# KiCad board minibaen r2.kicad_pcb
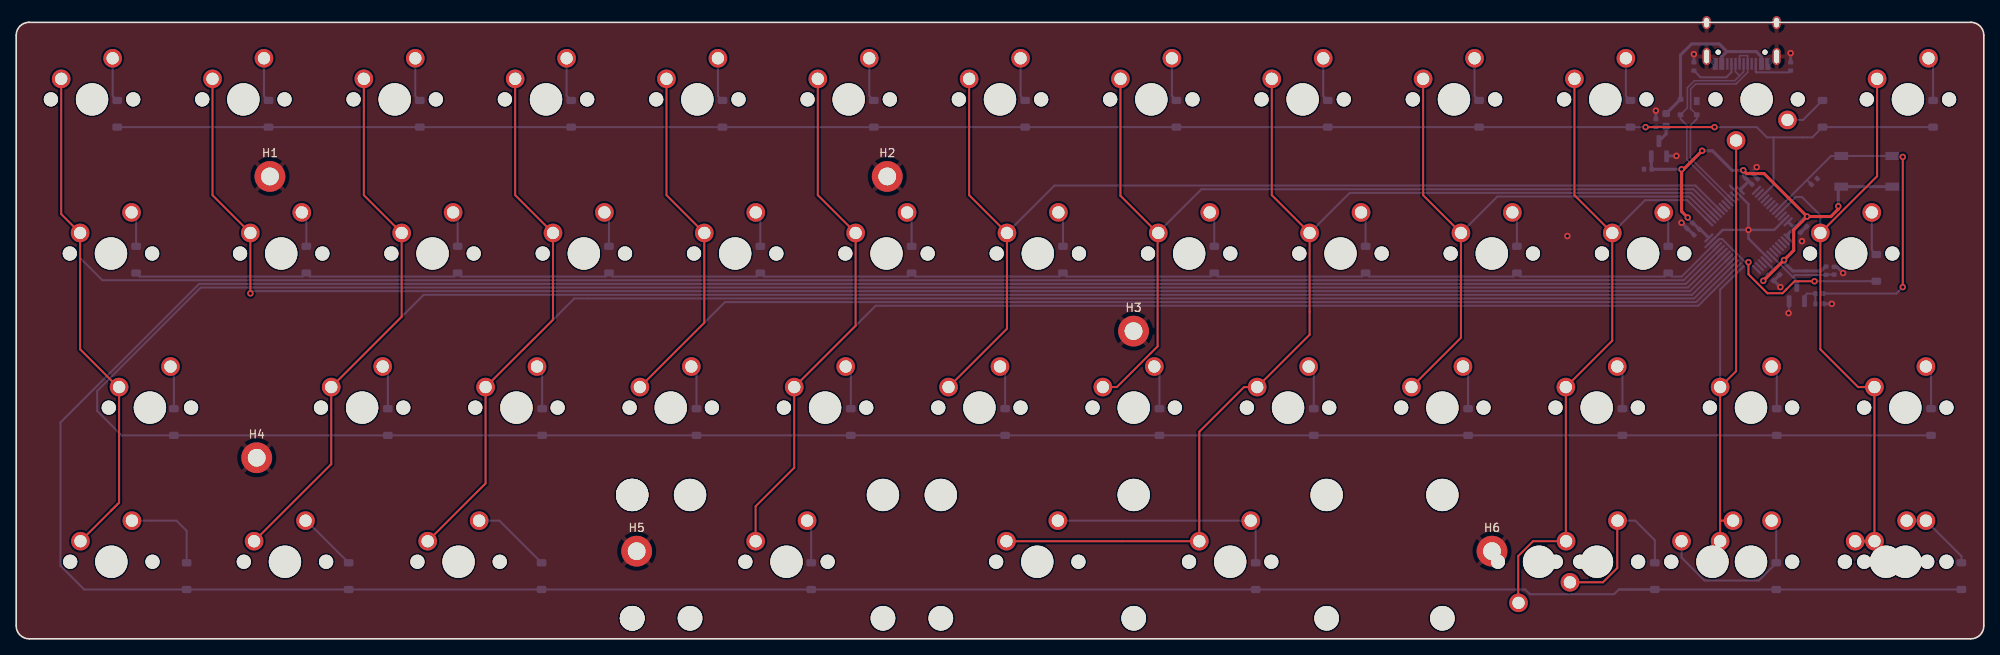
[diagram p0: board, top side]
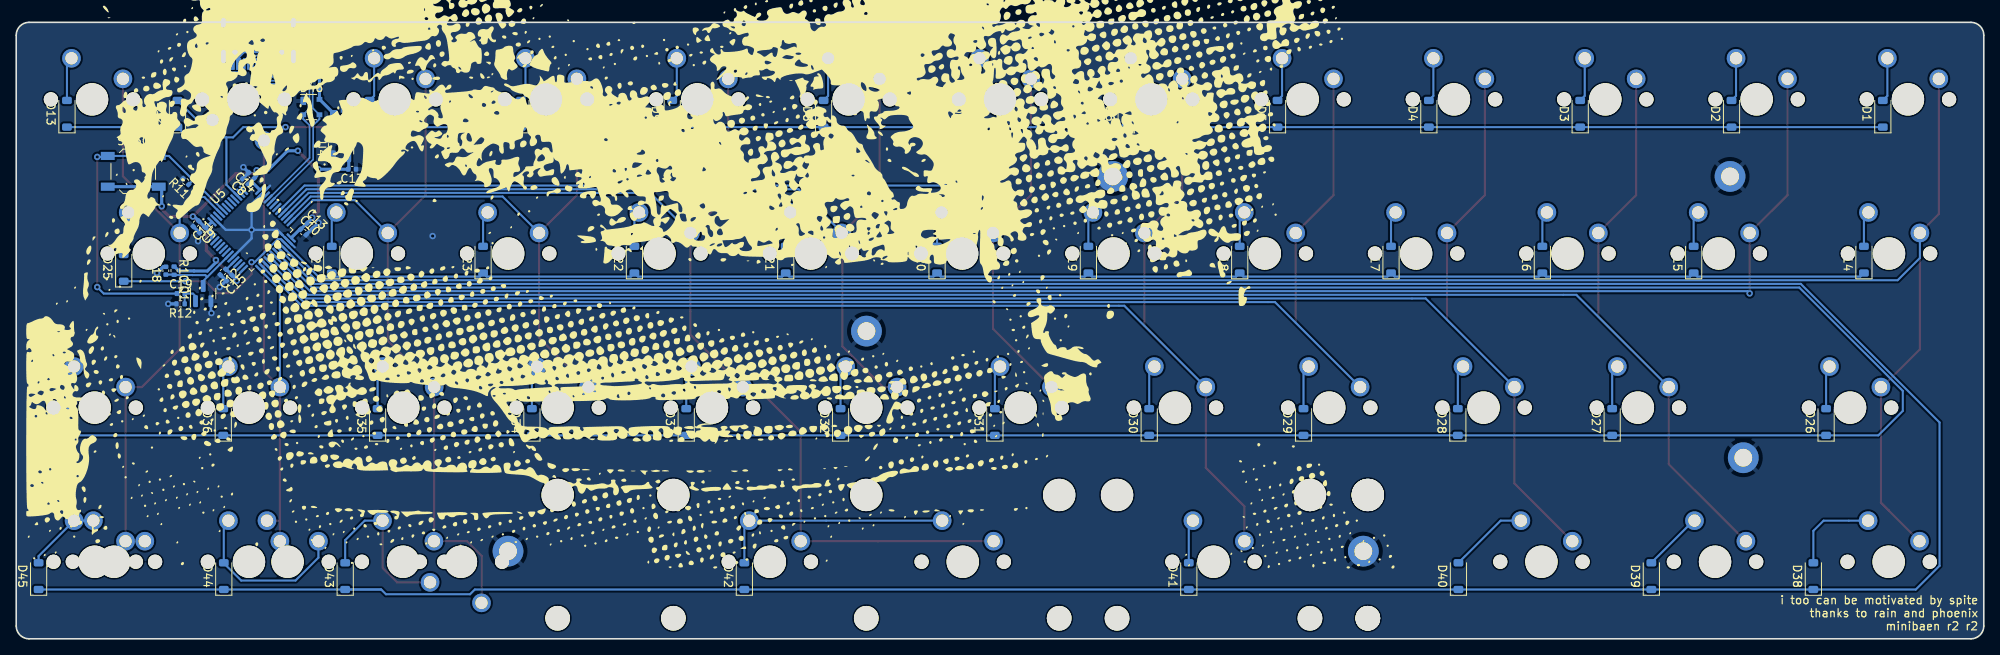
[diagram p1: board, bottom side, seen from below]

Outline 242.89 x 76.2 mm; copper layers: Top, Bottom. Coordinates in mm from the lower left corner of the outline.
Outline path: 0,74.61 arc(0.46,75.74) 1.59,76.2 241.3,76.2 arc(242.42,75.74) 242.89,74.61 242.89,1.59 arc(242.42,0.47) 241.3,0 1.59,0 arc(0.46,0.46) 0,1.59 0,74.61
Stack: Top 0.035mm / dielectric 1.51mm FR4 er 4.5 / Bottom 0.035mm

## Placement (name value [footprint] x y rotation side)
C8  100nF  [C_0402_1005Metric]  214.61 56.52 45 bottom
C9  100nF  [C_0402_1005Metric]  219.93 50.55 315 bottom
C10  100nF  [C_0402_1005Metric]  207.44 50.27 225 bottom
C11  100nF  [C_0402_1005Metric]  220.69 51.31 315 bottom
C12  10nF  [C_0402_1005Metric]  217.36 45.34 315 bottom
C13  4.7uF  [C_0402_1005Metric]  206.59 51.05 225 bottom
C14  4.7uF  [C_0402_1005Metric]  213.83 57.28 45 bottom
C15  1uF  [C_0402_1005Metric]  216.59 44.62 315 bottom
C16  1uF  [C_0402_1005Metric]  202.4 63.75 270 bottom
C17  1uF  [C_0402_1005Metric]  201.42 58.04 0 bottom
C18  1uF  [C_0402_1005Metric]  224.41 45.5 90 bottom
C19  4.7uF  [C_0402_1005Metric]  222.57 42.67 180 bottom
D1  D_Small  [D_SOD-123]  12.46 64.9 90 bottom
D2  D_Small  [D_SOD-123]  31.14 64.9 90 bottom
D3  D_Small  [D_SOD-123]  49.82 64.9 90 bottom
D4  D_Small  [D_SOD-123]  68.5 64.9 90 bottom
D5  D_Small  [D_SOD-123]  87.18 64.9 90 bottom
D6  D_Small  [D_SOD-123]  105.86 64.9 90 bottom
D7  D_Small  [D_SOD-123]  124.54 64.9 90 bottom
D8  D_Small  [D_SOD-123]  143.22 64.9 90 bottom
D9  D_Small  [D_SOD-123]  161.9 64.9 90 bottom
D10  D_Small  [D_SOD-123]  180.58 64.9 90 bottom
D11  D_Small  [D_SOD-123]  199.26 64.9 90 bottom
D12  D_Small  [D_SOD-123]  222.98 64.9 90 bottom
D13  D_Small  [D_SOD-123]  236.62 64.9 90 bottom
D14  D_Small  [D_SOD-123]  14.8 46.86 90 bottom
D15  D_Small  [D_SOD-123]  35.81 46.86 90 bottom
D16  D_Small  [D_SOD-123]  54.49 46.86 90 bottom
D17  D_Small  [D_SOD-123]  73.17 46.86 90 bottom
D18  D_Small  [D_SOD-123]  91.85 46.86 90 bottom
D19  D_Small  [D_SOD-123]  110.53 46.86 90 bottom
D20  D_Small  [D_SOD-123]  129.21 46.86 90 bottom
D21  D_Small  [D_SOD-123]  147.89 46.86 90 bottom
D22  D_Small  [D_SOD-123]  166.57 46.86 90 bottom
D23  D_Small  [D_SOD-123]  185.25 46.86 90 bottom
D24  D_Small  [D_SOD-123]  203.93 46.86 90 bottom
D25  D_Small  [D_SOD-123]  229.62 45.85 90 bottom
D26  D_Small  [D_SOD-123]  19.47 26.8 90 bottom
D27  D_Small  [D_SOD-123]  45.88 26.8 90 bottom
D28  D_Small  [D_SOD-123]  64.93 26.8 90 bottom
D29  D_Small  [D_SOD-123]  83.98 26.8 90 bottom
D30  D_Small  [D_SOD-123]  103.03 26.8 90 bottom
D31  D_Small  [D_SOD-123]  122.08 26.8 90 bottom
D32  D_Small  [D_SOD-123]  141.13 26.8 90 bottom
D33  D_Small  [D_SOD-123]  160.18 26.8 90 bottom
D34  D_Small  [D_SOD-123]  179.23 26.8 90 bottom
D35  D_Small  [D_SOD-123]  198.28 26.8 90 bottom
D36  D_Small  [D_SOD-123]  217.33 26.8 90 bottom
D37  D_Small  [D_SOD-123]  236.38 26.8 90 bottom
D38  D_Small  [D_SOD-123]  21.04 7.75 90 bottom
D39  D_Small  [D_SOD-123]  41.04 7.75 90 bottom
D40  D_Small  [D_SOD-123]  64.85 7.75 90 bottom
D41  D_Small  [D_SOD-123]  98.14 7.75 90 bottom
D42  D_Small  [D_SOD-123]  153 7.75 90 bottom
D43  D_Small  [D_SOD-123]  202.28 7.75 90 bottom
D44  D_Small  [D_SOD-123]  217.26 7.75 90 bottom
D45  D_Small  [D_SOD-123]  240.12 7.75 90 bottom
D46  PRTR5V0U2X  [SOT-143]  206.45 65.72 180 bottom
F2  500mA  [Fuse_0603_1608Metric]  203.67 64.13 270 bottom
H1  MountingHole  [MountingHole_2.2mm_M2_DIN965_Pad]  31.32 57.15 0 top
H2  MountingHole  [MountingHole_2.2mm_M2_DIN965_Pad]  107.52 57.15 0 top
H3  MountingHole  [MountingHole_2.2mm_M2_DIN965_Pad]  137.93 38.03 0 top
H4  MountingHole  [MountingHole_2.2mm_M2_DIN965_Pad]  29.69 22.38 0 top
H5  MountingHole  [MountingHole_2.2mm_M2_DIN965_Pad]  76.59 10.83 0 top
H6  MountingHole  [MountingHole_2.2mm_M2_DIN965_Pad]  182.18 10.83 0 top
J1  USB_C_Receptacle_USB2.0  [USB_C_Receptacle_HRO_TYPE-C-31-M-12]  212.99 75.11 0 bottom
Q1  2N7002  [SOT-23]  219.8 42.67 90 bottom
R8  5k1  [R_0402_1005Metric]  207.1 70.74 270 bottom
R9  5k1  [R_0402_1005Metric]  219.04 70.74 270 bottom
R10  10k  [R_0402_1005Metric]  223.4 45.5 270 bottom
R11  10k  [R_0402_1005Metric]  221.96 56.52 45 bottom
R12  100k  [R_0402_1005Metric]  222.6 41.4 0 bottom
S1  MX_stab  [STAB_MX_2.75u]  149.86 9.53 180 top
S2  MX_stab  [STAB_MX_3u]  95.09 9.53 180 top
S3  MX_stab  [STAB_MX_2u]  95.09 9.53 180 top
S4  MX_stab  [STAB_MX_6.25u]  126.04 9.53 180 top
SW1  MX_SW_solder  [SW_MX_1u]  9.36 66.67 0 top
SW2  MX_SW_solder  [SW_MX_1u]  28.04 66.67 0 top
SW3  MX_SW_solder  [SW_MX_1u]  46.72 66.67 0 top
SW4  MX_SW_solder  [SW_MX_1u]  65.4 66.67 0 top
SW5  MX_SW_solder  [SW_MX_1u]  84.08 66.67 0 top
SW6  MX_SW_solder  [SW_MX_1u]  102.76 66.67 0 top
SW7  MX_SW_solder  [SW_MX_1u]  121.44 66.67 0 top
SW8  MX_SW_solder  [SW_MX_1u]  140.12 66.67 0 top
SW9  MX_SW_solder  [SW_MX_1u]  158.8 66.67 0 top
SW10  MX_SW_solder  [SW_MX_1u]  177.48 66.67 0 top
SW11  MX_SW_solder  [SW_MX_1u]  196.16 66.67 0 top
SW12  MX_SW_solder  [SW_MX_1u]  214.84 66.67 180 top
SW13  MX_SW_solder  [SW_MX_1u]  233.52 66.67 0 top
SW14  MX_SW_solder  [SW_MX_1.25u]  11.7 47.62 0 top
SW15  MX_SW_solder  [SW_MX_1u]  32.71 47.62 0 top
SW16  MX_SW_solder  [SW_MX_1u]  51.39 47.62 0 top
SW17  MX_SW_solder  [SW_MX_1u]  70.07 47.62 0 top
SW18  MX_SW_solder  [SW_MX_1u]  88.75 47.62 0 top
SW19  MX_SW_solder  [SW_MX_1u]  107.43 47.62 0 top
SW20  MX_SW_solder  [SW_MX_1u]  126.11 47.62 0 top
SW21  MX_SW_solder  [SW_MX_1u]  144.79 47.62 0 top
SW22  MX_SW_solder  [SW_MX_1u]  163.47 47.62 0 top
SW23  MX_SW_solder  [SW_MX_1u]  182.15 47.62 0 top
SW24  MX_SW_solder  [SW_MX_1u]  200.83 47.62 0 top
SW25  MX_SW_solder  [SW_MX_1.75u]  226.52 47.62 0 top
SW26  MX_SW_solder  [SW_MX_1.75u]  16.51 28.58 0 top
SW27  MX_SW_solder  [SW_MX_1u]  42.7 28.58 0 top
SW28  MX_SW_solder  [SW_MX_1u]  61.75 28.58 0 top
SW29  MX_SW_solder  [SW_MX_1u]  80.8 28.58 0 top
SW30  MX_SW_solder  [SW_MX_1u]  99.85 28.58 0 top
SW31  MX_SW_solder  [SW_MX_1u]  118.9 28.58 0 top
SW32  MX_SW_solder  [SW_MX_1u]  137.95 28.58 0 top
SW33  MX_SW_solder  [SW_MX_1u]  157 28.58 0 top
SW34  MX_SW_solder  [SW_MX_1u]  176.05 28.58 0 top
SW35  MX_SW_solder  [SW_MX_1u]  195.1 28.58 0 top
SW36  MX_SW_solder  [SW_MX_1u]  214.15 28.58 0 top
SW37  MX_SW_solder  [SW_MX_1u]  233.2 28.58 0 top
SW38  MX_SW_solder  [SW_MX_1.25u]  11.75 9.53 0 top
SW39  MX_SW_solder  [SW_MX_1u]  33.18 9.53 0 top
SW40  MX_SW_solder  [SW_MX_1.25u]  54.61 9.53 0 top
SW41  MX_SW_solder  [SW_MX_1u]  95.09 9.53 0 top
SW42  MX_SW_solder  [SW_MX_1u]  126.04 9.53 0 top
SW43  MX_SW_solder  [SW_MX_1u]  149.86 9.53 0 top
SW44  MX_SW_solder  [SW_MX_1.25u]  187.99 9.53 180 top
SW45  MX_SW_solder  [SW_MX_1u]  195.13 9.53 0 top
SW46  MX_SW_solder  [SW_MX_1u]  214.15 9.53 0 top
SW47  MX_SW_solder  [SW_MX_1u]  209.39 9.53 0 top
SW48  MX_SW_solder  [SW_MX_1.25u]  230.82 9.53 0 top
SW49  MX_SW_solder  [SW_MX_1u]  233.2 9.53 0 top
SW50  SW_Push  [SW_SPST_TL3342]  228.44 57.78 180 bottom
U4  XC6206PxxxMR  [SOT-23]  202.78 60.58 90 bottom
U5  STM32F072C8Tx  [LQFP-48_7x7mm_P0.5mm]  213.83 50.55 135 bottom

## Library data of the parts
C8-C19 = -: Description: Unpolarized capacitor, small symbol
D1-D45 = -: Description: Diode, small symbol; Sim.Device: D; Sim.Pins: 1=K 2=A
D46 = -: Description: Ultra low capacitance double rail-to-rail ESD protection diode, SOT-143
F2 = -: Description: Fuse, small symbol
H1-H6 = -: Description: Mounting Hole with connection
J1 = -: Description: USB 2.0-only Type-C Receptacle connector
Q1 = -: Description: 0.115A Id, 60V Vds, N-Channel MOSFET, SOT-23
R8-R12 = -: Description: Resistor, small symbol
S1-S4 = -: Description: Cherry MX-style stabilizer
SW1-SW49 = -: Description: Push button switch, normally open, two pins, 45° tilted
SW50 = -: Description: Push button switch, generic, two pins
U4 = -: Description: Positive 60-250mA Low Dropout Regulator, Fixed Output, SOT-23
U5 = -: Description: ARM Cortex-M0 MCU, 64KB flash, 16KB RAM, 48MHz, 2-3.6V, 37 GPIO, LQFP-48

## Footprints (pads in the part's own frame, mm; a bottom-side part is the same pattern mirrored in y, then rotated)
C_0402_1005Metric
  rrect 0.56x0.62 smd: 1(-0.48,0) 2(0.48,0)
D_SOD-123
  rrect 0.9x1.2 smd: 1(-1.65,0) 2(1.65,0)
Fuse_0603_1608Metric
  rrect 0.875x0.95 smd: 1(-0.787,0) 2(0.787,0)
LQFP-48_7x7mm_P0.5mm
  rrect 1.475x0.3 smd: 1(-4.162,2.75) 2(-4.162,2.25) 3(-4.162,1.75) 4(-4.162,1.25) 5(-4.162,0.75) 6(-4.162,0.25) 7(-4.162,-0.25) 8(-4.162,-0.75) 9(-4.162,-1.25) 10(-4.162,-1.75) 11(-4.162,-2.25) 12(-4.162,-2.75) 25(4.162,-2.75) 26(4.162,-2.25) 27(4.162,-1.75) 28(4.162,-1.25) 29(4.162,-0.75) 30(4.162,-0.25) 31(4.162,0.25) 32(4.162,0.75) 33(4.162,1.25) 34(4.162,1.75) 35(4.162,2.25) 36(4.162,2.75)
  rrect 0.3x1.475 smd: 13(-2.75,-4.162) 14(-2.25,-4.162) 15(-1.75,-4.162) 16(-1.25,-4.162) 17(-0.75,-4.162) 18(-0.25,-4.162) 19(0.25,-4.162) 20(0.75,-4.162) 21(1.25,-4.162) 22(1.75,-4.162) 23(2.25,-4.162) 24(2.75,-4.162) 37(2.75,4.162) 38(2.25,4.162) 39(1.75,4.162) 40(1.25,4.162) 41(0.75,4.162) 42(0.25,4.162) 43(-0.25,4.162) 44(-0.75,4.162) 45(-1.25,4.162) 46(-1.75,4.162) 47(-2.25,4.162) 48(-2.75,4.162)
MountingHole_2.2mm_M2_DIN965_Pad
  round 3.8 hole 2.2: 1(0,0)
R_0402_1005Metric
  rrect 0.54x0.64 smd: 1(-0.51,0) 2(0.51,0)
SOT-23
  rrect 1.475x0.6 smd: 1(-0.938,0.95) 2(-0.938,-0.95) 3(0.938,0)
SOT-143
  rect 0.7x1 smd: 1(-1,0.75)
  rect 0.7x0.6 smd: 2(-1,-0.95) 3(1,-0.95) 4(1,0.95)
STAB_MX_2.75u
  round 3.048 hole 3.048 unplated: (-11.906,6.985) (11.906,6.985)
  round 3.988 hole 3.988 unplated: (-11.906,-8.255) (11.906,-8.255)
STAB_MX_2u
  round 3.048 hole 3.048 unplated: (-11.906,6.985) (11.906,6.985)
  round 3.988 hole 3.988 unplated: (-11.906,-8.255) (11.906,-8.255)
STAB_MX_3u
  round 3.048 hole 3.048 unplated: (-19.05,6.985) (19.05,6.985)
  round 3.988 hole 3.988 unplated: (-19.05,-8.255) (19.05,-8.255)
STAB_MX_6.25u
  round 3.048 hole 3.048 unplated: (-50.006,6.985) (50.006,6.985)
  round 3.988 hole 3.988 unplated: (-50.006,-8.255) (50.006,-8.255)
SW_MX_1.25u
  round 1.75 hole 1.75 unplated: (-5.08,0) (5.08,0)
  round 3.988 hole 3.988 unplated: (0,0)
  round 2.3 hole 1.524: 1(-3.81,2.54) 2(2.54,5.08)
SW_MX_1.75u
  round 1.75 hole 1.75 unplated: (-5.08,0) (5.08,0)
  round 3.988 hole 3.988 unplated: (0,0)
  round 2.3 hole 1.524: 1(-3.81,2.54) 2(2.54,5.08)
SW_MX_1u
  round 1.75 hole 1.75 unplated: (-5.08,0) (5.08,0)
  round 3.988 hole 3.988 unplated: (0,0)
  round 2.3 hole 1.524: 1(-3.81,2.54) 2(2.54,5.08)
SW_SPST_TL3342
  rect 1.7x1 smd: 1(-3.15,1.9) 1(3.15,1.9) 2(-3.15,-1.9) 2(3.15,-1.9)
USB_C_Receptacle_HRO_TYPE-C-31-M-12
  round 0.65 hole 0.65 unplated: (-2.89,2.6) (2.89,2.6)
  rect 0.6x1.45 smd: A1(-3.25,4.045) A4(-2.45,4.045) A9(2.45,4.045) A12(3.25,4.045) B1(3.25,4.045) B4(2.45,4.045) B9(-2.45,4.045) B12(-3.25,4.045)
  rect 0.3x1.45 smd: A5(-1.25,4.045) A6(-0.25,4.045) A7(0.25,4.045) A8(1.25,4.045) B5(1.75,4.045) B6(0.75,4.045) B7(-0.75,4.045) B8(-1.75,4.045)
  oval 1x1.6 hole 0.6x1.2: S1(-4.32,-1.05) S1(4.32,-1.05)
  oval 1x2.1 hole 0.6x1.7: S1(-4.32,3.13) S1(4.32,3.13)

## Nets
+3V3: C8.1 C9.1 C10.1 C11.1 C12.1 C13.1 C14.1 C15.1 C17.2 R10.1 SW50.2 U4.2 U5.1 U5.9 U5.24 U5.36 U5.48
+5V: C16.2 F2.2 U4.3
GND: C8.2 C9.2 C10.2 C11.2 C12.2 C13.2 C14.2 C15.2 C16.1 C17.1 C18.2 D46.1 H1.1 H2.1 H3.1 H4.1 H5.1 H6.1 J1.A1 J1.A12 J1.B1 J1.B12 J1.S1 Q1.2 R8.1 R9.1 R11.2 R12.2 U4.1 U5.8 U5.23 U5.35 U5.47
VBUS: D46.4 F2.1 J1.A4 J1.A9 J1.B4 J1.B9
BOOT0: C19.1 R11.1 SW50.1 U5.44
col0: SW1.1 SW14.1 SW26.1 SW38.1 U5.21
col1: SW2.1 SW15.1 U5.18
col2: SW3.1 SW16.1 SW27.1 SW39.1 U5.17
col3: SW4.1 SW17.1 SW28.1 SW40.1 U5.16
col4: SW5.1 SW18.1 SW29.1 U5.15
col5: SW6.1 SW19.1 SW30.1 SW41.1 U5.14
col6: SW7.1 SW20.1 SW31.1 U5.29
col7: SW8.1 SW21.1 SW32.1 U5.28
col8: SW9.1 SW22.1 SW33.1 SW42.1 SW43.1 U5.27
col9: SW10.1 SW23.1 SW34.1 U5.26
col10: SW11.1 SW24.1 SW35.1 SW44.2 SW45.1 U5.25
col11: SW12.2 SW36.1 SW46.1 SW47.2 U5.13
col12: SW13.1 SW25.1 SW37.1 SW48.1 SW49.1 U5.45
D+: D46.2 J1.A6 J1.B6 U5.33
D-: D46.3 J1.A7 J1.B7 U5.32
NRST: C18.1 Q1.3 R10.2 U5.7
row0: D1.1 D2.1 D3.1 D4.1 D5.1 D6.1 D7.1 D8.1 D9.1 D10.1 D11.1 D12.1 D13.1 U5.39
row1: D14.1 D15.1 D16.1 D17.1 D18.1 D19.1 D20.1 D21.1 D22.1 D23.1 D24.1 D25.1 U5.22
row2: D26.1 D27.1 D28.1 D29.1 D30.1 D31.1 D32.1 D33.1 D34.1 D35.1 D36.1 D37.1 U5.19
row3: D38.1 D39.1 D40.1 D41.1 D42.1 D43.1 D44.1 D45.1 U5.20
Net-(D1-A): D1.2 SW1.2
Net-(D2-A): D2.2 SW2.2
Net-(D3-A): D3.2 SW3.2
Net-(D4-A): D4.2 SW4.2
Net-(D5-A): D5.2 SW5.2
Net-(D6-A): D6.2 SW6.2
Net-(D7-A): D7.2 SW7.2
Net-(D8-A): D8.2 SW8.2
Net-(D9-A): D9.2 SW9.2
Net-(D10-A): D10.2 SW10.2
Net-(D11-A): D11.2 SW11.2
Net-(D12-A): D12.2 SW12.1
Net-(D13-A): D13.2 SW13.2
Net-(D14-A): D14.2 SW14.2
Net-(D15-A): D15.2 SW15.2
Net-(D16-A): D16.2 SW16.2
Net-(D17-A): D17.2 SW17.2
Net-(D18-A): D18.2 SW18.2
Net-(D19-A): D19.2 SW19.2
Net-(D20-A): D20.2 SW20.2
Net-(D21-A): D21.2 SW21.2
Net-(D22-A): D22.2 SW22.2
Net-(D23-A): D23.2 SW23.2
Net-(D24-A): D24.2 SW24.2
Net-(D25-A): D25.2 SW25.2
Net-(D26-A): D26.2 SW26.2
Net-(D27-A): D27.2 SW27.2
Net-(D28-A): D28.2 SW28.2
Net-(D29-A): D29.2 SW29.2
Net-(D30-A): D30.2 SW30.2
Net-(D31-A): D31.2 SW31.2
Net-(D32-A): D32.2 SW32.2
Net-(D33-A): D33.2 SW33.2
Net-(D34-A): D34.2 SW34.2
Net-(D35-A): D35.2 SW35.2
Net-(D36-A): D36.2 SW36.2
Net-(D37-A): D37.2 SW37.2
Net-(D38-A): D38.2 SW38.2
Net-(D39-A): D39.2 SW39.2
Net-(D40-A): D40.2 SW40.2
Net-(D41-A): D41.2 SW41.2
Net-(D42-A): D42.2 SW42.2 SW43.2
Net-(D43-A): D43.2 SW44.1 SW45.2
Net-(D44-A): D44.2 SW46.2 SW47.1
Net-(D45-A): D45.2 SW48.2 SW49.2
Net-(J1-CC1): J1.A5 R8.2
Net-(J1-CC2): J1.B5 R9.2
Net-(Q1-G): C19.2 Q1.1 R12.1

Pads without a net: J1 A8 B8; U5 2 3 4 5 6 10 11 12 30 31 34 37 38 40 41 42 43 46

## Via types
v1: diameter 0.8, hole 0.4, Top to Bottom, 28 vias

## Routing (per net, layer and track width the routed paths; a pad name or vN(x,y) marks a point on that pad's centre or on a via; arc(x,y) is an arc through that point)
+3V3: length 77.1
  Top w0.381: v1(221.07,52.2) 215.77,57.5 213.61,57.5 v1(213.2,57.91) ; v1(221.07,52.2) 219.42,50.55 219.42,48.01 218.15,46.74 ; v1(221.07,52.2) 224.01,52.2 224.93,53.11 v1(224.93,53.47) ; 218.15,46.74 v1(218.23,46.82) ; 218.15,46.74 v1(215.67,44.25) ; v1(206.34,52.07) 205.58,52.83 v1(205.58,58.04) 205.83,58.04 v1(208.12,60.33)
  Bottom w0.254: C12.1 216.93,45.68 U5.9
  Bottom w0.3: 216.96,45.65 217.02,45.65
  Bottom w0.381: v1(206.34,52.07) 206.34,51.99 C13.1 206.99,51.39 C10.1 207.89,50.61 208.92,49.58 ; v1(215.67,44.25) 215.67,44.38 216.97,45.68 C12.1 ; SW50.2 SW50.2 224.93,55.52 v1(224.93,53.47) ; v1(221.07,52.2) 220.9,52.2 C11.1 C9.1 ; 213.88,56.56 212.83,55.52 212.83,55.49 212.86,55.46 ; 213.88,56.56 213.51,56.94 C14.1 213.2,57.23 v1(213.2,57.91) 211.8,57.91 209.39,60.33 v1(208.12,60.33) ; 213.88,56.56 214.27,56.18 ; 218.75,49.58 218.72,49.6 218.72,50.02 C9.1 ; 218.75,51.52 219.38,50.89 C9.1 ; U4.2 201.83,58.1 C17.2 v1(205.58,58.04) ; v1(218.23,46.82) 218.23,46.52 219.29,45.47 220.93,45.47 220.94,45.47 222.82,45.47 223.36,46.01 R10.1
+5V: length 3.5
  Bottom w0.381: C16.2 202.48,63.35 F2.2 203.67,62.41 U4.3
GND: length 41.8
  Bottom w0.25: 208.5,48.39 U5.23 209.31,49.19 210.4,50.29 ; Q1.2 218.85,40.33 v1(218.79,40.26)
  Bottom w0.3: v1(213.83,50.55) 213.83,49.49 U5.8 ; v1(213.83,50.55) 213.83,53.73 U5.35 211.55,56.01 ; v1(213.83,50.55) 210.66,50.55 210.02,49.91 ; v1(213.83,50.55) 217.02,50.55 U5.47 ; 207.1,49.93 C10.2
  Bottom w0.381: v1(204.94,59.69) 203.78,59.69 U4.1 ; 217.73,43.47 v1(217.77,43.47) 216.96,44.28 C15.2 216.98,44.28 C12.2 ; J1.S1 216.39,71.06 J1.A12 ; v1(225.52,45.21) 224.75,45.98 C18.2 ; 206.39,50.63 206.38,50.63 ; 206.39,50.63 206.4,50.63 ; 206.39,50.63 206.39,50.6 ; C14.2 214.93,56.86 C8.2 ; C14.2 214.19,57.62 ; C14.2 v1(214.85,58.29) ; R8.1 v1(207.1,72.26) ; J1.S1 209.58,71.06 J1.A1 ; 207.09,49.93 C10.2 206.31,50.71 C13.2 206.26,50.75 v1(205.57,51.43) ; 220.31,49.28 v1(220.44,49.15) ; C11.2 C9.2 ; 202.4,64.23 v1(202.4,65.28) ; R12.2 v1(224.12,41.4) ; R9.1 v1(219.04,72.39)
  vias: v1(191.48,49.78)
VBUS: length 21.9
  Bottom w0.381: J1.A4 210.54,71.94 211.18,72.58 ; J1.A9 215.44,71.94 214.79,72.58 211.18,72.58 ; 211.18,72.58 210.22,73.53 206.82,73.53 205.45,72.16 D46.4 205.43,66.67 F2.1
BOOT0: length 45.5
  Top w0.25: v1(232.88,43.47) v1(232.88,59.56)
  Bottom w0.25: U5.44 224.03,59.69 SW50.1 SW50.1 231.71,59.56 v1(232.88,59.56)
  Bottom w0.254: C19.1 232.08,42.67 v1(232.88,43.47) ; 221.03,56.68 221.07,56.68 R11.1
col0: length 271.4
  Top w0.25: 12.56,16.69 SW38.1 ; SW26.1 12.56,31.12 7.89,35.78 SW14.1 5.55,52.5 SW1.1
  Top w0.254: SW26.1 12.7,16.83 11.75,15.88
  Bottom w0.25: SW14.1 7.89,47.07 10.63,44.32 205.84,44.32 U5.21
col1: length 212.6
  Top w0.25: v1(28.9,42.69) SW15.1 24.23,54.84 SW2.1
  Bottom w0.25: v1(28.9,42.69) 29.18,42.97 206.61,42.97 U5.18
col2: length 245.8
  Top w0.25: SW3.1 42.91,54.84 SW16.1 47.58,39.81 SW27.1 38.89,21.59 SW39.1
  Bottom w0.25: U5.17 206.87,42.52 50.3,42.52 SW27.1
col3: length 225.8
  Top w0.25: SW4.1 61.59,54.84 SW17.1 66.26,39.44 SW28.1 57.94,19.21 SW40.1
  Bottom w0.25: SW28.1 68.9,42.07 207.12,42.07 U5.16
col4: length 184.8
  Top w0.25: SW29.1 84.94,39.07 SW18.1 80.27,54.84 SW5.1
  Bottom w0.25: U5.15 207.38,41.62 87.5,41.62 SW29.1
col5: length 186.8
  Top w0.25: SW41.1 91.28,16.38 96.04,21.15 SW30.1 103.62,38.7 SW19.1 98.95,54.84 98.95,69.22
  Bottom w0.25: U5.14 207.64,41.17 106.1,41.17 SW30.1
col6: length 134.8
  Top w0.25: SW7.1 117.63,54.84 SW20.1 122.3,38.33 SW31.1
  Bottom w0.25: U5.29 207.29,56.02 128.16,56.02 SW20.1
col7: length 116.4
  Top w0.25: SW32.1 135.87,31.12 140.9,36.15 140.9,50.16 136.31,54.75 SW8.1
  Bottom w0.25: U5.28 207.04,55.57 146.67,55.57 146.66,55.58 146.31,55.58 140.9,50.16
col8: length 142.7
  Top w0.25: 159.66,40.45 SW22.1 154.99,54.84 154.99,69.22
  Top w0.254: 159.66,40.45 159.66,37.59 SW33.1 151.56,31.12 146.05,25.6 SW43.1 SW42.1
  Bottom w0.25: U5.27 206.79,55.12 164.62,55.12 SW22.1
col9: length 76.5
  Top w0.25: SW34.1 178.34,37.22 SW23.1 173.67,54.84 SW10.1
  Bottom w0.25: U5.26 206.53,54.67 182.85,54.67 SW23.1
col10: length 88.1
  Top w0.25: SW11.1 192.35,54.84 SW24.1 197.02,36.85 SW35.1 191.29,12.06 187.25,12.06 185.42,10.23 185.42,4.9
  Bottom w0.25: SW24.1 201.08,54.22 206.27,54.22 U5.25
col11: length 68.1
  Top w0.25: 212.3,61.59 212.31,61.59 212.31,58.29 ; 212.31,58.93 212.31,58.29 ; 212.31,58.29 212.31,33.08 SW36.1 SW46.1
  Top w0.254: SW47.2 210.34,14.61
  Bottom w0.254: U5.13 210.34,43.16 SW36.1
col12: length 75.4
  Top w0.25: SW25.1 222.71,35.78
  Top w0.254: SW25.1 229.71,57.17 SW13.1 ; SW48.1 SW49.1 SW37.1 227.38,31.12 222.71,35.78
  Bottom w0.25: 220.06,54.61 220.44,54.61 222.71,52.34 SW25.1
  Bottom w0.254: 220.06,54.61 219.67,54.61 U5.45
D+: length 28.8
  Bottom w0.2: 212.36,68.65 213.74,70.02 J1.B6 213.74,72.04 213.69,72.09 212.79,72.09 212.74,72.04 J1.A6 ; 212.36,68.65 212.32,68.6 ; 212.36,68.65 212.29,68.58 207.33,68.58 206.69,67.95 206.69,65.53 D46.2 207.45,64.25 ; 207.45,64.25 207.16,63.95 ; 207.45,64.25 207.16,63.95 ; 207.16,63.95 206.68,63.47 206.68,59.44 211.74,54.37 U5.33
D-: length 27.8
  Bottom w0.2: 212.72,69.57 212.72,69.61 212.24,70.09 J1.B7 ; 212.72,69.57 213.24,70.09 J1.A7 ; 212.72,69.57 212.13,68.98 207.16,68.98 206.29,68.11 206.29,65.62 D46.3 205.45,64.25 ; 205.45,64.25 205.76,63.94 ; 205.45,64.25 205.76,63.94 ; 205.76,63.94 206.23,63.47 206.23,59.25 211.42,54.06 U5.32
NRST: length 10.3
  Bottom w0.25: 219.31,44.72 219.54,44.95 221.14,44.95 221.15,44.96 223.39,44.96 ; 219.31,44.72 219.8,44.22 Q1.3 ; 219.31,44.72 U5.7
  Bottom w0.254: 224.41,45.02 223.43,45.02
row0: length 233
  Top w0.25: v1(209.64,63.25) v1(201.13,63.25)
  Bottom w0.25: D12.1 222.98,63.25 221.71,61.98 216.12,61.98 214.85,63.25 v1(209.64,63.25) ; D3.1 D8.1 D11.1 199.26,63.25 v1(201.13,63.25) ; 49.76,63.25 12.41,63.25
  Bottom w0.254: 216.94,61.98 216.94,56.13 U5.39 ; D13.1 D12.1
row1: length 224.8
  Top w0.25: 218.52,43.19 219.52,44.2 v1(221.98,44.2)
  Top w0.254: 218.52,43.19 218.52,43.19 218.05,42.72 216.18,42.72 213.83,45.06 v1(213.83,46.55)
  Bottom w0.254: D25.1 v1(221.99,44.2) ; D14.1 15.24,44.77 35.38,44.77 D15.1 36.25,44.77 54.06,44.77 D16.1 54.93,44.77 72.74,44.77 D17.1 73.61,44.77 91.42,44.77 D18.1 92.29,44.77 110.1,44.77 D19.1 110.97,44.77 128.78,44.77 D20.1 129.65,44.77 147.46,44.77 D21.1 148.33,44.77 166.14,44.77 D22.1 167.01,44.77 184.82,44.77 D23.1 185.69,44.77 203.5,44.77 D24.1 204.37,44.77 205.59,44.77 U5.22 210.22,49.41 210.59,49.41 213.45,46.55 v1(213.83,46.55)
row2: length 437.9
  Bottom w0.25: D37.1 D26.1 13.02,25.15 10,28.17 10,30.64 22.78,43.42 206.35,43.42 U5.19
row3: length 472.3
  Bottom w0.254: 197.83,6.1 197.24,5.51 186.86,5.51 186.27,6.1 D42.1 D38.1 8.39,6.1 5.46,9.03 5.46,26.74 22.59,43.87 206.1,43.87 U5.20 ; 197.83,6.1 D43.1 ; 197.83,6.1 D45.1
Net-(D1-A): length 5.4
  Bottom w0.25: D1.2 11.9,67.11 SW1.2
Net-(D2-A): length 5.4
  Bottom w0.25: SW2.2 30.58,67.11 D2.2
Net-(D3-A): length 5.4
  Bottom w0.25: 49.26,71.75 49.26,67.11 D3.2
Net-(D4-A): length 5.4
  Bottom w0.25: D4.2 67.94,67.11 SW4.2
Net-(D5-A): length 5.4
  Bottom w0.25: D5.2 86.62,67.11 86.62,71.75
Net-(D6-A): length 5.4
  Bottom w0.25: D6.2 105.3,67.11 SW6.2
Net-(D7-A): length 5.4
  Bottom w0.25: SW7.2 123.98,67.11 D7.2
Net-(D8-A): length 5.4
  Bottom w0.25: SW8.2 142.66,67.11 D8.2
Net-(D9-A): length 5.4
  Bottom w0.25: SW9.2 161.34,67.11 D9.2
Net-(D10-A): length 5.4
  Bottom w0.25: D10.2 180.02,67.11 SW10.2
Net-(D11-A): length 5.4
  Bottom w0.25: D11.2 198.7,67.11 SW11.2
Net-(D12-A): length 5.3
  Bottom w0.25: D12.2 220.57,64.13 SW12.1
Net-(D13-A): length 5.4
  Bottom w0.25: 236.06,71.75 236.06,71.24 236.62,70.68 D13.2
Net-(D14-A): length 4.4
  Bottom w0.254: SW14.2 14.8,52.15 D14.2
Net-(D15-A): length 4.4
  Bottom w0.254: SW15.2 35.81,52.15 D15.2
Net-(D16-A): length 4.4
  Bottom w0.254: D16.2 54.49,52.15 SW16.2
Net-(D17-A): length 4.4
  Bottom w0.254: SW17.2 73.17,52.15 D17.2
Net-(D18-A): length 4.4
  Bottom w0.254: SW18.2 91.85,52.15 D18.2
Net-(D19-A): length 4.4
  Bottom w0.254: D19.2 110.53,52.15 SW19.2
Net-(D20-A): length 4.4
  Bottom w0.254: D20.2 129.21,52.15 128.65,52.7
Net-(D21-A): length 4.4
  Bottom w0.254: SW21.2 147.89,52.15 D21.2
Net-(D22-A): length 4.4
  Bottom w0.254: SW22.2 166.57,52.15 D22.2
Net-(D23-A): length 4.4
  Bottom w0.254: D23.2 185.25,52.15 SW23.2
Net-(D24-A): length 4.4
  Bottom w0.254: 203.37,52.7 203.93,52.15 D24.2
Net-(D25-A): length 5.4
  Bottom w0.25: D25.2 229.06,48.06 SW25.2
Net-(D26-A): length 5.4
  Bottom w0.254: D26.2 19.47,33.23 SW26.2
Net-(D27-A): length 5.5
  Bottom w0.254: SW27.2 45.88,33.02 D27.2
Net-(D28-A): length 5.5
  Bottom w0.254: SW28.2 64.93,33.02 D28.2
Net-(D29-A): length 5.5
  Bottom w0.254: SW29.2 83.98,33.02 D29.2
Net-(D30-A): length 5.5
  Bottom w0.254: D30.2 103.03,33.02 SW30.2
Net-(D31-A): length 5.5
  Bottom w0.254: SW31.2 122.08,33.02 D31.2
Net-(D32-A): length 5.5
  Bottom w0.254: D32.2 141.13,33.02 SW32.2
Net-(D33-A): length 5.5
  Bottom w0.254: SW33.2 160.18,33.02 D33.2
Net-(D34-A): length 5.5
  Bottom w0.254: SW34.2 179.23,33.02 D34.2
Net-(D35-A): length 5.5
  Bottom w0.254: D35.2 198.28,33.02 SW35.2
Net-(D36-A): length 5.5
  Bottom w0.254: D36.2 217.33,33.02 SW36.2
Net-(D37-A): length 5.5
  Bottom w0.254: SW37.2 236.38,33.02 D37.2
Net-(D38-A): length 11.2
  Bottom w0.25: SW38.2 19.78,14.61 21.04,13.34 D38.2
Net-(D39-A): length 7.5
  Bottom w0.254: D39.2 35.83,14.61 SW39.2
Net-(D40-A): length 9.9
  Bottom w0.254: SW40.2 59.64,14.61 D40.2
Net-(D41-A): length 5.4
  Bottom w0.254: SW41.2 98.14,14.1 D41.2
Net-(D42-A): length 29.3
  Bottom w0.254: SW42.2 SW43.2 153,14 D42.2
Net-(D43-A): length 20.9
  Top w0.254: 197.64,14.61 197.64,8.75 195.88,6.98 191.77,6.98
  Bottom w0.254: 197.64,14.61 199.86,14.61 202.28,12.19 D43.2
Net-(D44-A): length 21.3
  Bottom w0.254: SW46.2 217.26,14.03 D44.2 217.26,9.35 215.11,7.2 208.41,7.2 205.58,10.03 SW47.1
Net-(D45-A): length 8.3
  Bottom w0.254: SW49.2 240.12,10.22 D45.2 ; SW48.2 234.66,14.61
Net-(J1-CC1): length 6.3
  Bottom w0.254: J1.A5 211.74,70.03 211.11,69.41 207.92,69.41 R8.2
Net-(J1-CC2): length 5.4
  Bottom w0.254: R9.2 218.82,70.01 214.81,70.01 214.74,70.09 J1.B5
Net-(Q1-G): length 3.4
  Bottom w0.25: Q1.1 220.75,42.35 221.07,42.67 C19.2 222.09,41.4 R12.1

## Copper pours and planes (outline as drawn; the poured copper is in the pictures)
GND on Top: 240.76,78.74 -6.38,78.74 -6.38,-5.72 245.33,-5.72 247.49,-3.56 247.49,78.87 240.88,78.87
GND on Bottom: -6.38,81.41 -6.38,-5.72 245.33,-5.72 247.49,-3.56 247.49,80.26 246.35,81.41

## Text on the board
B.Silkscreen: i too can be motivated by spite / thanks to rain and phoenix / minibaen r2 r2
